# KiCad board Master Timing Card.kicad_pcb (continued)
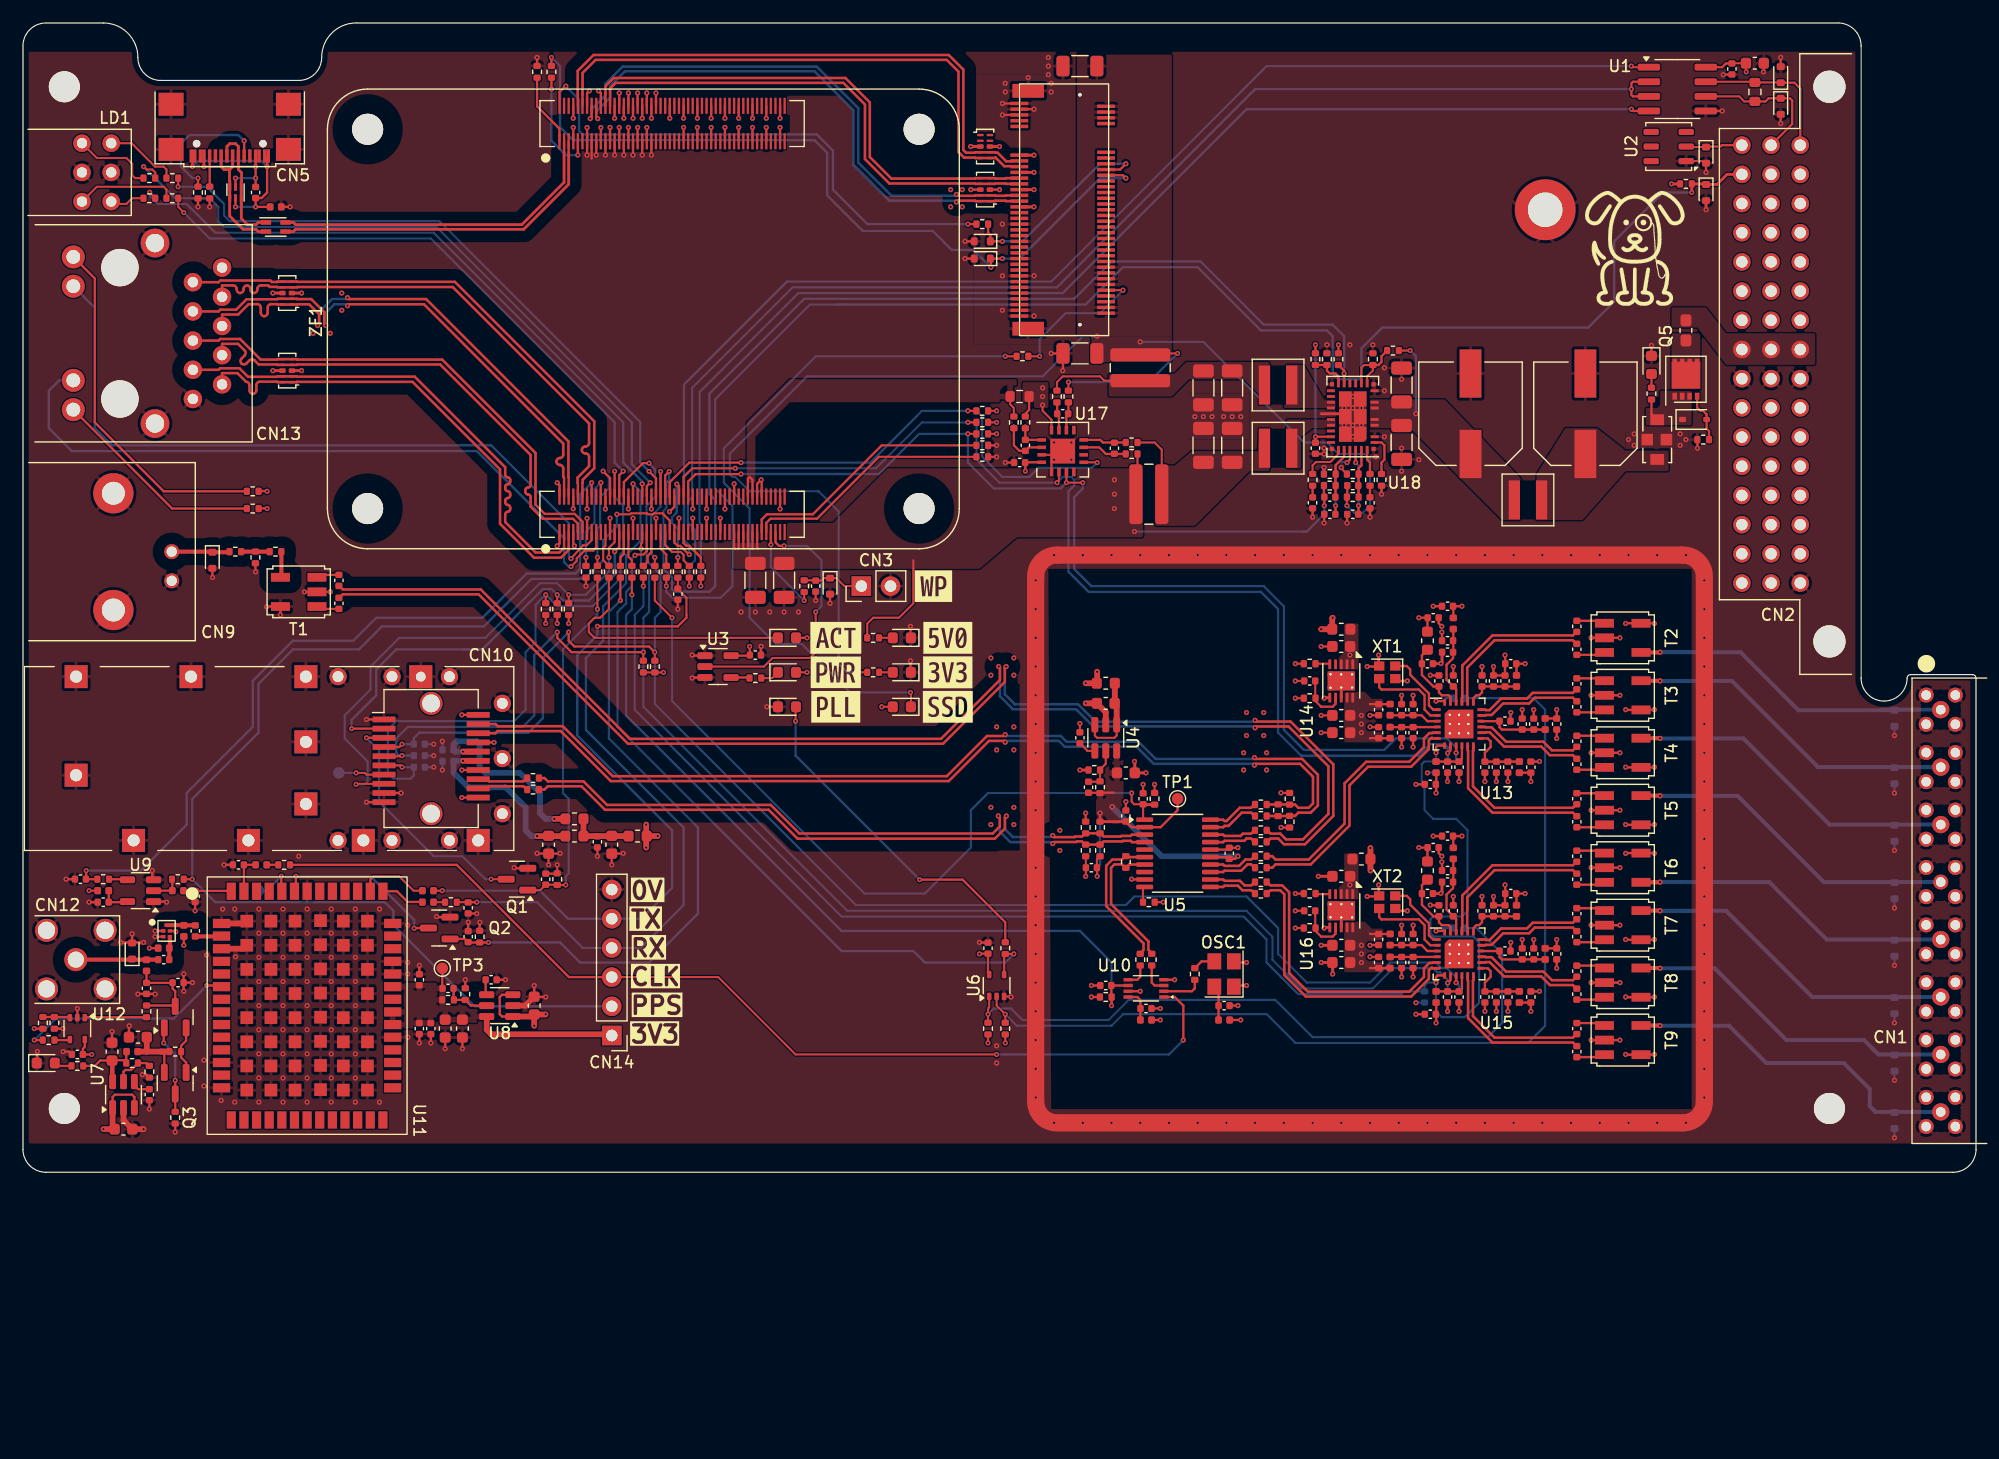
[diagram p0: board, top side]
## Routing (per net, layer and track width the routed paths; a pad name or vN(x,y) marks a point on that pad's centre or on a via; arc(x,y) is an arc through that point) (continued)
  Top w0.25: D14.8 v1(85,89.25) ; D20.3 v1(24.25,69.75) ; 114.85,66 113,66 ; D22.2 v1(146.5,83.75) ; CN7.45 v1(88,85.5) ; C115.2 123.52,24.37 v1(123.42,24.27) ; D21.8 v1(21.75,76.5) ; CN7.51 v1(88,87) ; v1(123.42,44.27) 123.52,44.37 C72.2 ; v1(96.75,35.75) 96.78,35.72 C15.2 v1(97.75,34.75) ; C128.2 v1(112.75,25.75) ; D14.3 v1(82.5,89.25) ; C134.2 v1(113,19.75) ; CN7.57 v1(88,88.5) ; R42.2 v1(92,35) ; U16.8 U16.11 ; U14.8 U14.11 ; D20.8 v1(21.75,69.75) ; CN7.39 v1(88,84) ; v1(114,17.25) 114,18.22 ; v1(113,18.25) C135.2 ; D21.3 v1(24.25,76.5)
  Top w0.5: U8.2 43.72,14.5 C33.2 ; U11.3 19.18,19.45 ; U11.1 19.28,21.65 ; U4.2 94.25,40.03 C11.2 v1(92.5,40.8) ; v1(10.5,3.75) C32.2 8.75,4.53 U7.2
  Bottom w0.18: C86.2 v1(124,34) ; v1(36.5,35) 36.52,35.02 C30.2 ; C25.2 v1(35.75,37.25) ; D7.2 v1(162.9,13) ; C84.2 122.27,34.77 v1(122.25,34.75) ; C29.2 v1(35.75,35.25) ; D8.2 v1(162.9,8) ; D1.2 v1(162.9,38) ; D2.2 v1(162.9,33) ; v1(36.5,37.5) 36.52,37.48 C27.2 ; D4.2 v1(162.9,23) ; C129.2 v1(124,14) ; v1(121.25,14.75) 121.27,14.77 C127.2 ; D11.2 v1(162.9,3) ; C88.2 v1(125,34) ; C131.2 v1(125,14) ; D3.2 v1(162.9,28) ; D5.2 v1(162.9,18) ; C26.2 v1(35.75,36.25)
  vias: v1(13.3,20.92) v1(15.75,9.75) v1(15.75,7.5) v1(15.98,18.9) v1(17.25,6.25) v1(17.38,22.9) v1(18.43,22.9) v1(18.43,6.1) v1(18.5,18.75) v1(20.53,22.9) v1(20.53,20.8) v1(20.53,18.7) v1(20.53,16.6) v1(20.53,14.5) v1(20.53,12.4) v1(20.53,10.3) v1(20.53,8.2) v1(20.53,6.1) v1(22.63,22.9) v1(22.63,20.8) v1(22.63,18.7) v1(22.63,16.6) v1(22.63,14.5) v1(22.63,12.4) v1(22.63,10.3) v1(22.63,8.2) v1(22.63,6.1) v1(24,27.5) v1(24.73,22.9) v1(24.73,20.8) v1(24.73,18.7) v1(24.73,16.6) v1(24.73,14.5) v1(24.73,12.4) v1(24.73,10.3) v1(24.73,8.2) v1(24.73,6.1) v1(25.25,73) v1(26.75,73) v1(26.83,22.9) v1(26.83,20.8) v1(26.83,18.7) v1(26.83,16.6) v1(26.83,14.5) v1(26.83,12.4) v1(26.83,10.3) v1(26.83,8.2) v1(26.83,6.1) v1(27.75,76.5) v1(27.75,75) v1(28.93,22.9) v1(28.93,20.8) v1(28.93,18.7) v1(28.93,16.6) v1(28.93,14.5) v1(28.93,12.4) v1(28.93,10.3) v1(28.93,8.2) v1(28.93,6.1) v1(31.03,22.9) v1(31.03,6.1) v1(33.48,21.5) v1(33.48,18.25) v1(33.48,17.25) v1(33.5,11.75) v1(36.75,10.75) v1(38.25,10.75) v1(58.25,45) v1(58.25,43) v1(62.5,48.75) v1(63.75,48.75) v1(65,48.75) v1(66.25,48.75) v1(67.5,48.75) v1(80.75,85.5) v1(80.75,84) v1(81.75,85.5) v1(81.75,84) v1(84.25,44.75) v1(84.25,43.25) v1(84.25,31.75) v1(84.25,30.25) v1(84.75,38.75) v1(84.75,36.75) v1(84.75,11) v1(84.75,9.5) v1(85.25,82.5) v1(85.25,78) v1(85.25,75) v1(85.5,94.75) v1(85.5,94) v1(86.25,44.75) v1(86.25,43.25) v1(86.25,38.75) v1(86.25,36.75) v1(86.25,31.75) v1(86.25,30.25) v1(87.5,95.25) v1(88,78) v1(88,74.5) v1(88.15,51.5) v1(88.15,49) v1(88.15,46.5) v1(88.15,44) v1(88.15,41.5) v1(88.15,39) v1(88.15,36.5) v1(88.15,34) v1(88.15,31.5) v1(88.15,26.5) v1(88.15,24) v1(88.15,21.5) v1(88.15,19) v1(88.15,16.5) v1(88.15,14) v1(88.15,11.5) v1(88.15,9) v1(88.15,6.5) v1(89.25,97) v1(89.25,96.25) v1(89.25,95.5) v1(89.5,94.75) v1(89.5,94) v1(89.75,63.5) v1(89.75,62) v1(89.75,53.7) v1(89.75,4.3) v1(90.25,29.75) v1(90.25,28) v1(91.25,63.5) v1(91.25,62) v1(92.25,53.7) v1(92.25,4.3) v1(94.75,53.7) v1(94.75,4.3) v1(96,32.25) v1(97.25,53.7) v1(97.25,4.3) v1(99.75,53.7) v1(99.75,4.3) v1(102,65.75) v1(102.25,53.7) v1(102.25,4.3) v1(102.75,65.75) v1(103.5,65.75) v1(104.5,65.75) v1(104.75,53.7) v1(104.75,4.3) v1(105.25,65.75) v1(106,65.75) v1(106.25,36.5) v1(106.25,35) v1(106.5,40) v1(106.5,38) v1(107.25,53.7) v1(107.25,4.3) v1(108,40) v1(108,38) v1(108.25,36.5) v1(108.25,35) v1(109.75,53.7) v1(109.75,4.3) v1(112.25,53.7) v1(112.25,4.3) v1(113.25,63) v1(113.5,72) v1(114.75,53.7) v1(114.75,4.3) v1(115,66.5) v1(115,65) v1(115.5,72) v1(115.75,67.5) v1(115.75,66.5) v1(115.75,65) v1(115.75,64) v1(116.5,66.5) v1(116.5,65) v1(117.25,53.7) v1(117.25,4.3) v1(117.5,72) v1(117.75,62.25) v1(118.5,70) v1(118.5,68) v1(118.5,64) v1(119.75,53.7) v1(119.75,4.3) v1(120,69) v1(120,63) v1(120,61) v1(121.5,62) v1(122.25,53.7) v1(122.25,4.3) v1(124.75,53.7) v1(124.75,4.3) v1(127.25,53.7) v1(127.25,4.3) v1(129,45) v1(129,25) v1(129.75,53.7) v1(129.75,4.3) v1(132.25,53.7) v1(132.25,4.3) v1(134.75,53.7) v1(134.75,4.3) v1(137.25,53.7) v1(137.25,4.3) v1(139.75,63.75) v1(139.75,53.7) v1(139.75,4.3) v1(140.25,64.25) v1(140.25,63.25) v1(142.25,53.7) v1(142.25,4.3) v1(144.25,64.25) v1(144.25,63.25) v1(144.75,63.75) v1(144.75,53.7) v1(144.75,4.3) v1(146.35,51.5) v1(146.35,49) v1(146.35,46.5) v1(146.35,44) v1(146.35,41.5) v1(146.35,39) v1(146.35,36.5) v1(146.35,34) v1(146.35,31.5) v1(146.35,29) v1(146.35,26.5) v1(146.35,24) v1(146.35,21.5) v1(146.35,19) v1(146.35,16.5) v1(146.35,14) v1(146.35,11.5) v1(146.35,9) v1(146.35,6.5)
1V8: length 108
  Top w0.18: FB6.2 v1(5.75,24.5)
  Top w0.2: CN4.90 64.3,60.2 v1(64.25,60.25) 63.9,59.9 CN4.88
  In2.Cu w0.18: v1(5.75,24.5) 3,24.5 1,26.5 1,57.25 6.5,62.75 57,62.75 61,58.75 62.75,58.75 v1(64.25,60.25)
3V3: length 41.3
  Top w0.18: v1(88.75,66.75) 88.75,66.25 89.53,65.47 U17.16 ; R7.1 v1(84.75,64.25) ; R26.1 v1(47.5,47.75) ; R11.1 R10.1 55.74,43.49 v1(55.75,43.5) ; R25.1 v1(45.5,47.75) ; v1(150,95.75) 149.97,95.78 C1.1 148.77,96.5 C2.1 ; R104.1 v1(84.75,66.25) ; R8.1 v1(84.75,65.25) ; R17.1 v1(46.5,47.75) ; LD2.2 v1(68.25,43.5) ; LD4.2 v1(74.75,40.5)
  Top w0.2: C3.1 63.27,45.73 v1(63.25,45.75) ; U1.8 147.91,96.16 148.23,96.48 C2.1 ; v1(21.25,59.25) 21.23,59.27 20.49,59.27 ; 84,17.3 C19.1 83.27,19.02 v1(83.25,19) ; v1(21.25,57.75) 21.23,57.77 20.49,57.77 ; R28.2 87.58,66.34 87.25,66.01 ; FB4.2 v1(99,13.25) ; 123.02,34.75 123.02,33.02 v1(123,33) ; v1(123,13) 123.02,13.02 123.02,14.75 ; R105.1 v1(114.5,72) ; v1(0.98,12.5) 0.99,12.49 R82.1 ; U3.5 63.22,44.95 ; U12.5 5.38,10.9 5.21,10.73 C56.1 v1(5.98,10.25) ; v1(87.25,61) 87.25,61.73 ; CN4.78 v1(61.9,59.9) ; FB8.2 v1(106,13.25) ; R47.1 v1(84,11.25) ; R45.1 v1(85.5,11.25) ; LD3.2 v1(68.25,46.5) ; U17.4 87.25,61.77
  Top w0.25: R96.1 v1(143.5,86)
  Top w0.5: FB3.1 v1(55.25,29.25) ; v1(54.25,28.25) v1(54.25,30.25)
  vias: v1(88.75,68.25) v1(88.75,67.5)
3V3_PCIE: length 110.1
  Top w0.18: v1(100.5,71.25) 99,71.25 ; R113.1 v1(72.75,43.5) ; R117.1 v1(91,68.75)
  Top w0.2: R110.1 115.24,58.01 v1(115.25,58) ; C160.1 115.27,58.78
  Bottom w0.18: v1(72.75,43.5) 71.75,43.5 71,44.25 71,57.5 69.25,59.25 63.25,59.25 62,60.5 61.75,60.5 61.53,60.72 61.53,62.52 68.25,69.25 88.75,69.25 92.25,72.75 v1(93.5,72.75) ; v1(115.25,58) 115.87,57.38 116.62,57.38 117.25,58 117.25,62 116.75,62.5 114.5,62.5 113.5,63.5 111.5,63.5 102.75,72.25 v1(97.25,72.25) ; v1(91,68.75) 98,68.75 v1(100.5,71.25)
5V0_PI: length 61.5
  Top w0.18: 77.5,53.25 77.5,49.5 76.25,48.25 74,48.25 73.49,47.74 R112.1 ; R115.1 97.01,59.14
  Top w0.2: 45.47,13.72 v1(45.5,13.75) ; CN4.85 63.5,54.25 ; CN4.87 63.9,54.35 64,54.25 ; v1(113.27,58) C159.1 ; 62,54.25 61.9,54.35 CN4.77 ; 62.25,54.25 62.3,54.3 CN4.79 ; CN4.81 62.7,54.3 62.75,54.25 ; U8.1 41.7,13.55 41.5,13.75 41.5,15.25 41.7,15.45 U8.3 ; CN4.83 63.1,54.4 ; U7.3 9.7,6.55 9.5,6.75 8,6.75 7.8,6.55 U7.1 ; 113.24,58.78 R108.1
  Top w0.5: FB2.1 v1(92.5,42.55) ; U7.1 7.8,3.92 ; 45.47,13.72 C33.1 v1(44.5,12.75) ; v1(113,47.25) FB19.1 113.96,48.21 v1(114,48.25) ; v1(117.29,26.25) v1(117.29,28.21) ; U8.1 44.33,13.55 ; v1(93.5,43.55) 93.5,42.59 ; C32.1 v1(7,3.75)
  Bottom w0.18: v1(96.75,55.75) 111.45,55.75
  Bottom w0.2: v1(113.27,58) 113.27,57.27 111.75,55.75 111.45,55.75
  vias: v1(95,60.25) v1(95,59) v1(95,57.75)
/GPS/VCC_GNSS: length 14.2
  Top w0.2: TP3.1 36.5,16.02
  Top w0.5: U8.6 40.36,12.39 40.75,12 51.5,12
/Pi CM4 - GPIO/3V3_R: length 5.5
  Top w0.18: R30.1 86.25,66.5 85.92,66.83 R28.1
  Top w0.2: CN4.84 63.1,60.35 63.25,60.5 63.5,60.25 CN4.86
/Pi CM4 - GPIO/3V3_SENSE_N: length 2.7
  Top w0.2: C7.1 87.25,64.99 ; U17.1 87.25,63.73
/Pi CM4 - GPIO/3V3_SENSE_P: length 4.5
  Top w0.2: U17.2 87.56,63.08 C7.2 86.73,62.77 86.25,63.25 86.25,64.99
/PLL and SFP/Frequency Synthesiser 1/1V8_PLL: length 12.5
  Top w0.2: FB12.1 124.5,49.23 ; C64.1 v1(121.5,48.25) ; 117.25,40.75 117.27,40.73 C62.1 119,40.73 ; FB14.1 133.5,39.48 ; C59.1 v1(130.75,44.25) ; C58.1 v1(125.25,49.25) ; C60.1 v1(133.5,40.25) ; C63.1 117.27,37.77 117.25,37.75 ; FB13.1 130,44.23 ; C61.1 v1(131.25,34) ; FB18.1 122.25,48.23 ; FB15.1 131.25,34.77 ; FB17.1 118,37.77
  vias: v1(116.5,39.75) v1(116.5,39) v1(116.5,38.25)
/PLL and SFP/Frequency Synthesiser 1/1V8_VDDA: length 6.4
  Top w0.2: U13.23 124.25,41.35 124.1,41.5 123.5,41.5 123.25,41.75 C78.1 122.77,42.27 121.77,43.27 C71.1 121.77,44.98 FB18.2
/PLL and SFP/Frequency Synthesiser 1/1V8_VDDO0: length 7
  Top w0.2: FB12.2 124.5,45.27 ; U13.22 124.75,42.02 C79.1 123.91,42.86 123.91,44.16 124.48,44.73 C72.1
/PLL and SFP/Frequency Synthesiser 1/1V8_VDDO1: length 4.8
  Top w0.2: C73.1 C80.1 127,41.75 126.75,41.5 126.5,41.5 126.25,41.25 U13.19 ; FB13.2 128,42.27
/PLL and SFP/Frequency Synthesiser 1/1V8_VDDO2: length 6.2
  Top w0.2: U13.16 C81.1 128.52,38.73 128.73,38.52 C74.1 132.5,38.52
/PLL and SFP/Frequency Synthesiser 1/1V8_VDDO3: length 6
  Top w0.2: 130.25,35.73 C75.1 C82.1 127.25,36.5 127.75,37 127.75,37.5 127.5,37.75 U13.13
/PLL and SFP/Frequency Synthesiser 1/1V8_VDDREF: length 4.1
  Top w0.2: FB17.2 123.11,38.73
/PLL and SFP/Frequency Synthesiser 1/1V8_VDDXO: length 4.3
  Top w0.2: FB16.2 121.74,39.77 122.25,39.25 U13.3
/PLL and SFP/Frequency Synthesiser 1/3V3_VDDD: length 3.5
  Top w0.2: U13.10 125.25,35.98 C88.1 ; FB20.2 125,35.73
/PLL and SFP/Frequency Synthesiser 1/VIN: length 6.6
  Top w0.25: v1(113.25,41.25) 113.3,41.3 U14.6
  In2.Cu w0.25: v1(113.25,41.25) 112.75,41.75 112.75,44 113.75,45 v1(115.5,45)
/PLL and SFP/Frequency Synthesiser 2/1V8_PLL: length 12.5
  Top w0.2: C103.1 v1(133.5,20.25) ; FB22.1 130,24.23 ; FB26.1 118,17.77 ; FB23.1 133.5,19.48 ; 117.25,20.75 117.27,20.73 C105.1 119,20.73 ; FB27.1 122.25,28.23 ; FB24.1 131.25,14.77 ; C107.1 v1(121.5,28.25) ; C104.1 v1(131.25,14) ; FB21.1 124.5,29.23 ; C102.1 v1(130.75,24.25) ; 117.25,17.75 117.27,17.77 C106.1 ; C101.1 v1(125.25,29.25)
  vias: v1(116.5,19.75) v1(116.5,19) v1(116.5,18.25)
/PLL and SFP/Frequency Synthesiser 2/1V8_VDDA: length 6.4
  Top w0.2: FB27.2 121.77,24.98 C114.1 121.77,23.27 122.77,22.27 C121.1 123.25,21.75 123.5,21.5 124.1,21.5 124.25,21.35 U15.23
/PLL and SFP/Frequency Synthesiser 2/1V8_VDDO0: length 7
  Top w0.2: U15.22 124.75,22.02 C122.1 123.91,22.86 123.91,24.16 124.48,24.73 C115.1 ; FB21.2 124.5,25.27
/PLL and SFP/Frequency Synthesiser 2/1V8_VDDO1: length 4.8
  Top w0.2: C116.1 C123.1 127,21.75 126.75,21.5 126.5,21.5 126.25,21.25 U15.19 ; FB22.2 128,22.27
/PLL and SFP/Frequency Synthesiser 2/1V8_VDDO2: length 6.2
  Top w0.2: 132.5,18.52 C117.1 128.73,18.52 128.52,18.73 C124.1 U15.16
/PLL and SFP/Frequency Synthesiser 2/1V8_VDDO3: length 6
  Top w0.2: U15.13 127.5,17.75 127.75,17.5 127.75,17 127.25,16.5 C125.1 C118.1 130.25,15.73
/PLL and SFP/Frequency Synthesiser 2/1V8_VDDREF: length 4.1
  Top w0.2: FB26.2 123.11,18.73
/PLL and SFP/Frequency Synthesiser 2/1V8_VDDXO: length 4.3
  Top w0.2: U15.3 122.25,19.25 121.74,19.77 FB25.2
/PLL and SFP/Frequency Synthesiser 2/3V3_VDDD: length 3.5
  Top w0.2: U15.10 125.25,15.98 C131.1 ; FB29.2 125,15.73
/PLL and SFP/Frequency Synthesiser 2/VIN: length 6.5
  Top w0.25: v1(113.25,21.25) 113.3,21.3 U16.6
  In2.Cu w0.25: v1(113.25,21.25) 112.75,21.75 112.75,23.75 114,25 v1(115.5,25)
/PLL and SFP/VDD_MUX: length 34.2
  Top w0.18: C14.1 93.72,33.02 ; R40.1 93.48,27.22 C13.1 ; 93.75,33.04 94.96,33.04 ; v1(93.5,25.75) 93.5,26.48
  Top w0.2: U5.15 105.09,27.42 ; R38.1 v1(93.75,31.25) ; v1(105.75,27.5) 105.52,27.27 C17.1 ; C18.1 96.5,30.03 U5.2 99.03,30.03 100.5,31.5 TP1.1
  Top w0.25: C18.1 95.99,30.51 R38.1
  Bottom w0.2: v1(93.5,25.75) 93.5,26.5 93.75,26.75 v1(93.75,31.25)
  Bottom w0.5: v1(94.8,31.8) 99.1,27.5 v1(105.75,27.5)
/Power Supplies/3V3_R: length 8.4
  Top w0.18: R116.1 90,68.75 90.5,69.25 93.75,69.25 94.12,68.88 R107.1
/Power Supplies/5V0_R: length 6.2
  Top w0.18: R106.1 99.12,62.88 98.5,63.5 R114.1
/Power Supplies/5V0_SENSE_N: length 3.9
  Top w0.2: R115.2 94.25,62.5 93.68,63.08 U17.11
/Power Supplies/5V0_SENSE_P: length 3.8
  Top w0.2: R114.2 94,63.5 93.78,63.73 U17.12
/Power Supplies/12V_DCDC: length 6.7
  Top w0.2: v1(120.75,71.5) R97.1
  Bottom w0.2: v1(120.75,71.5) 121.25,71 v1(121.25,66)
/Power Supplies/12V_PROT: length 2
  Top w0.2: R95.1 141.75,65.97 FL3.1
/CM4 Interfaces/ETHA_N: length 47.1
  Top w0.2: CN4.10 48.3,59.97
  Top w0.22: CN13.3 17.33,77.15 17.35,77.16 18.3,77.16 arc(18.51,77.08) 18.6,76.86 18.6,76.8 arc(18.69,76.59) 18.9,76.5 arc(19.11,76.59) 19.2,76.8 19.2,76.86 arc(19.29,77.08) 19.5,77.16 arc(19.71,77.08) 19.8,76.86 19.8,76.8 arc(19.89,76.59) 20.1,76.5 arc(20.31,76.59) 20.4,76.8 20.4,76.86 arc(20.49,77.08) 20.7,77.16 21.35,77.16 21.48,77.04 22.12,77.04 22.16,77 D21.7 D21.4 23.84,77 23.87,77.03 37.41,77.03 49.28,65.16 49.28,63.45 arc(49.19,63.24) 48.97,63.15 48.94,63.15 arc(48.73,63.06) 48.64,62.85 arc(48.73,62.64) 48.94,62.55 48.97,62.55 arc(49.19,62.46) 49.28,62.25 49.28,61.44 48.28,60.44 48.28,60 48.3,59.97
/CM4 Interfaces/ETHA_P: length 47.1
  Top w0.2: CN4.12 48.7,59.97
  Top w0.22: 48.7,59.97 48.72,60 48.72,60.26 49.72,61.26 49.72,65.34 37.59,77.47 23.87,77.47 23.84,77.5 D21.5 D21.6 22.16,77.5 22.12,77.46 21.66,77.46 21.53,77.59 17.17,77.59 17.03,77.44 CN13.2
/CM4 Interfaces/ETHB_N: length 46.2
  Top w0.2: CN4.6 47.5,60.47
  Top w0.22: 47.5,60.47 47.47,60.5 47.47,63.59 35.09,75.98 28.37,75.98 v1(28.25,76.1) ; CN13.5 17.33,74.61 17.36,74.63 18.73,74.63 19.64,75.54 20.4,75.54 arc(20.61,75.45) 20.7,75.24 20.7,74.79 arc(20.79,74.58) 21,74.49 arc(21.21,74.58) 21.3,74.79 21.3,75.24 arc(21.39,75.45) 21.6,75.54 22.12,75.54 22.16,75.5 D21.10 D21.1 23.84,75.5 23.87,75.52 24.91,75.52 25.78,74.66 25.77,73.81 v1(25.65,73.68)
  Bottom w0.22: v1(28.25,76.1) 28.13,75.98 26.91,75.98 25.77,74.84 25.77,73.81 v1(25.65,73.68)
/CM4 Interfaces/ETHB_P: length 46.2
  Top w0.2: CN4.4 47.1,60.42
  Top w0.22: v1(28.25,75.4) 28.37,75.52 34.91,75.52 47.03,63.41 47.03,62.44 arc(46.94,62.23) 46.73,62.15 arc(46.52,62.06) 46.43,61.85 46.43,61.84 arc(46.52,61.63) 46.73,61.55 arc(46.94,61.46) 47.03,61.25 47.03,60.5 47.1,60.42 ; v1(26.35,73.68) 26.23,73.81 26.22,74.84 25.09,75.98 23.87,75.98 23.84,76 D21.2 D21.9 22.16,76 22.12,75.96 19.46,75.96 18.55,75.05 17.18,75.05 17.03,74.91 CN13.4
  Bottom w0.22: v1(28.25,75.4) 28.13,75.52 27.09,75.52 26.23,74.66 26.23,73.81 v1(26.35,73.68)
/CM4 Interfaces/ETHC_N: length 43.8
  Top w0.2: CN4.9 48.3,55.71 48.3,56.44 47.88,56.86 45.24,56.86 44.19,57.91
  Top w0.22: CN13.7 17.33,72.07 17.35,72.08 18.72,72.08 19.3,71.5 arc(19.39,71.29) 19.3,71.08 19.02,70.79 arc(18.93,70.58) 19.02,70.37 arc(19.23,70.28) 19.44,70.37 19.72,70.65 arc(19.94,70.74) 20.15,70.65 20.51,70.29 22.12,70.29 22.16,70.25 D20.7 D20.4 23.84,70.25 23.88,70.29 36.31,70.29 44.19,62.41 44.19,59.81 arc(44.12,59.65) 43.96,59.58 arc(43.79,59.51) 43.73,59.35 43.73,59.21 arc(43.79,59.05) 43.96,58.98 arc(44.12,58.91) 44.19,58.75 44.19,57.91
/CM4 Interfaces/ETHC_P: length 44.1
  Top w0.2: 44.61,58.09 45.42,57.28 48.02,57.28 48.7,56.61 48.7,55.71 CN4.11
  Top w0.22: CN13.6 17.03,72.37 17.17,72.51 18.89,72.51 20.69,70.71 22.12,70.71 22.16,70.75 D20.6 D20.5 23.84,70.75 23.88,70.71 36.49,70.71 44.61,62.59 44.61,58.09
/CM4 Interfaces/ETHD_N: length 44
  Top w0.2: CN4.5 47.5,54.37
  Top w0.22: 47.5,54.37 47.5,54.14 46.83,53.47 44.48,53.47 41.53,56.43 41.53,61.16 33.91,68.78 23.87,68.78 23.84,68.75 D20.1 D20.10 22.16,68.75 22.12,68.79 20.61,68.79 arc(20.4,68.7) 20.31,68.49 20.31,68.04 arc(20.22,67.83) 20.01,67.74 arc(19.8,67.83) 19.71,68.04 19.71,68.49 arc(19.62,68.7) 19.41,68.79 18.67,69.53 17.34,69.53 17.33,69.53 CN13.9
/CM4 Interfaces/ETHD_P: length 44.9
  Top w0.2: 47.1,54.33 CN4.3
  Top w0.22: CN13.8 17.03,69.83 17.16,69.95 18.85,69.95 19.59,69.21 22.12,69.21 22.16,69.25 D20.9 D20.2 23.84,69.25 23.87,69.22 34.09,69.22 41.97,61.34 41.97,60.68 arc(42.04,60.53) 42.19,60.47 arc(42.34,60.4) 42.41,60.25 42.41,60.08 arc(42.34,59.93) 42.19,59.87 arc(42.04,59.8) 41.97,59.65 41.97,59.48 arc(42.04,59.33) 42.19,59.27 arc(42.34,59.2) 42.41,59.05 42.41,58.88 arc(42.34,58.73) 42.19,58.67 arc(42.04,58.6) 41.97,58.45 41.97,58.28 arc(42.04,58.13) 42.19,58.07 arc(42.34,58) 42.41,57.85 42.41,57.68 arc(42.34,57.53) 42.19,57.47 arc(42.04,57.4) 41.97,57.25 41.97,56.57 44.62,53.92 46.69,53.92 47.1,54.33
/CM4 Interfaces/PTP_PPS: length 68.7
  Top w0.2: R66.1 5.5,25.5 ; CN4.16 v1(49.5,60) ; v1(5.5,26.25) 5.5,25.52
  Bottom w0.2: v1(49.5,60) 48.5,59 48.5,56.5 48.5,56.5 48.5,54.29 48.5,54.28 48.5,52.5 48.1,52.1 43.85,52.1 40,48.25 30.75,48.25 28.75,46.25 23.5,46.25 20,42.75 20,38.75 14.25,33 14.25,30.25 10.25,26.25 v1(5.5,26.25)
/CM4 Interfaces/~{ETH_ACT}: length 64.2
  Top w0.18: v1(47.7,53.4) 48.75,54.55 49.05,54.55 49.5,55 CN4.15
  Bottom w0.18: v1(47.7,53.4) 47.5,53.59 47.5,56.5 47.2,56.8
  Bottom w0.2: 47.2,56.8 40.75,63.25 7.75,63.25 6.25,64.75 6.25,75.22 CN13.L2
/CM4 Interfaces/~{ETH_LINK}: length 61.8
  Top w0.18: 48.5,53.71 48.2,53.41 48.2,53.2 v1(47.7,52.7)
  Top w0.2: CN4.17 49.9,54.36 49.64,54.1 48.89,54.1 48.5,53.71
  Bottom w0.2: CN13.L4 3.16,68.91 2.25,68 2.25,64.75 4.25,62.75 39.5,62.75 47.1,55.15 47.1,53.1 47.5,52.7 v1(47.7,52.7)
/GPS/CLK_SEL: length 70.3
  Top w0.18: R12.1 v1(53,50.25)
  Top w0.2: v1(94.75,14.5) 94.76,14.51 R74.1 ; 94.73,15.28 C38.1 U10.6
  Bottom w0.2: v1(94.75,14.5) 94.75,18.25 92,21 71.25,21 52.5,39.75 52.5,48.5 53,49 v1(53,50.25)
/GPS/GNSS_CLK: length 90.1
  Top w0.18: v1(84.75,10.25) 67.25,10.25 60.52,16.98 CN14.3
  Top w0.2: R75.1 37.75,26.75 47.52,16.98 CN14.3 ; v1(101,11.5) 101,14.5 100.25,15.25 U10.1
  Bottom w0.2: v1(84.75,10.25) 99.75,10.25 v1(101,11.5)
/GPS/GNSS_CLK_M: length 3.3
  Top w0.2: U11.53 19.23,26.73 ; 19.21,26.75 FB7.2
/GPS/GNSS_PPS: length 107
  Top w0.18: 55.75,57.25 55.67,57.33 54.92,57.33 54.84,57.25 54.42,57.25 54.34,57.33 52.92,57.33 52.84,57.25 v1(51.7,57.25)
  Top w0.2: R69.1 v1(14.73,25.5) ; CN4.49 56.3,56.7 55.75,57.25
  Bottom w0.2: v1(51.7,57.25) 51.7,57.3 51.7,56.2 50.5,55 50.5,53.25 48.88,51.63 44.25,51.63 40.12,47.5 31.25,47.5 29.25,45.5 23.5,45.5 20.5,42.5 20.5,38.25 14.73,32.48 v1(14.73,25.5) 16.73,23.5 31.5,23.5 32.25,22.75 32.25,21.5 39.31,14.44 CN14.2
/GPS/GNSS_PPS_M: length 4.1
  Top w0.2: C39.1 18.1,24.48 ; FB5.2 14.96,24.5
/GPS/GNSS_RESET: length 57
  Top w0.18: R18.2 v1(52,49.75)
  Top w0.2: C48.1 38.47,20.3 Q2.1 ; v1(40.52,20) 40.51,19.99 R78.1 38.78,19.99
  Bottom w0.18: v1(52,49.75) 51,48.75 51,48.5
  Bottom w0.2: 51,48.5 51,37.75 58.75,30 58.75,22.5 54.5,18.25 48.5,18.25 46.75,20 v1(40.52,20)
/GPS/GNSS_RX: length 66.5
  Top w0.18: R77.2 38.73,23.5 C46.1
  Top w0.2: CN4.34 v1(53.1,59.9) ; 38.74,23.5 v1(39.5,23.5)
  Bottom w0.18: 57.5,23.25 53.77,19.52 CN14.4 48.73,19.52 44.75,23.5 v1(39.5,23.5)
  Bottom w0.2: 57.5,23.25 57.5,30 49,38.5 49,44.75 50.5,46.25 50.5,49.25 52.5,51.25 52.5,53.69 53.75,54.94 53.75,59.25 v1(53.1,59.9)
/GPS/GNSS_TX: length 61.7
  Top w0.18: C47.1 57,50.75 ; 57,50.75 R9.2 ; 57,50.75 57.75,50 57.75,48.5 ; FB11.1 v1(36.5,24.5)
  Top w0.2: 57.75,48.5 57.75,48.25 57,47.5 v1(50,47.5)
  Bottom w0.18: v1(36.5,24.5) 45,24.5 45.5,24
  Bottom w0.2: v1(50,47.5) 50,46.75 48.25,45 48.25,38 56.5,29.75 56.5,24.75 53.81,22.06 CN14.5 47.44,22.06 45.5,24
/GPS/REF_CLK_N: length 12.1
  Top w0.22: R44.2 96.28,26.78 U5.7 ; 95.95,26.49 95.65,26.79 95,26.79 94.71,26.5 94.71,23.34 97.96,20.09 97.96,19.35 98.25,19.06
/GPS/REF_CLK_P: length 12.6
  Top w0.22: U5.6 96.09,27.42 ; 97.25,19.06 97.54,19.35 97.54,19.91 94.29,23.16 94.29,26.67 94.83,27.21 95.65,27.21 95.95,27.51
/GPS/~{ANT_SHORT}: length 18.9
  Top w0.2: R85.2 v1(0.98,11.5) ; v1(16,16.25) 17.18,16.25
  Bottom w0.2: v1(16,16.25) 13.12,13.38 2.88,13.38 1,11.5 v1(0.98,11.5)
/ONEWIRE_ADDRESS: length 137.7
  Top w0.18: R23.2 v1(56,51)
  Top w0.25: CN2.c2 148.33,86.83 147.45,85.95 D22.1 146.45,86 R96.2 145.26,85.26 v1(145.25,85.25)
  Bottom w0.18: 71.5,75.5 68.5,75.5 60.25,67.25 60.25,59.5 61.75,58 61.75,51 60.75,50 56.5,50 56,50.5 v1(56,51)
  Bottom w0.2: v1(145.25,85.25) 142.75,85.25 138.5,81 138.5,75.75 136.25,73.5 118.31,73.5 116.5,71.69 116.5,69.25 116.25,69 114.5,69 114,69.5 114,72.75 113.5,73.25 107.75,73.25 102.25,78.75 95.75,78.75 92.5,75.5 70.75,75.5
/Pi CM4 - GPIO/COMMS_GREEN: length 53.4
  Top w0.18: v1(14,83.5) 13.51,84.01 R4.1
  Top w0.2: v1(52.25,61) 51.9,60.65 CN4.28
  Bottom w0.18: 51.5,65.25 35.5,81.25 16.25,81.25 v1(14,83.5)
  Bottom w0.2: v1(52.25,61) 51.5,61.75 51.5,65.25
/Pi CM4 - GPIO/COMMS_RED: length 65.3
  Top w0.18: R3.1 11.51,86.99 11.25,87.25 10.75,87.25 v1(10.5,87.5)
  Top w0.2: CN4.40 54.3,59.7 v1(54.6,60)
  Bottom w0.18: 13.25,84.75 v1(10.5,87.5) 13.25,84.75 ; 13.25,84.75 16.25,84.75 17,84 17,82.75 17.5,82.25 36,82.25 53,65.25
  Bottom w0.2: 53,65.25 53,61.6 v1(54.6,60)
/Pi CM4 - GPIO/PCIE_PWR_GOOD: length 101.9
  Top w0.2: U18.15 v1(115,69.5) 115,69.74 R105.2 ; 55.9,58.77 55.9,60.63 v1(56.25,60.98)
  Bottom w0.18: v1(56.25,60.98) 56.25,60.25 56,60 56,57.8 55.75,57.55 55.75,52.5 56,52.25
  Bottom w0.2: v1(115,69.5) 115,72.75 114,73.75 108,73.75 102.5,79.25 94.75,79.25 91.5,76 68,76 59.75,67.75 59.75,59 60.25,58.5 60.25,51 59.77,50.52 56.73,50.52 56.5,50.75 56.5,51.75 56,52.25
/Pi CM4 - GPIO/PWR_CRITICAL: length 49.2
  Top w0.18: v1(93.5,61.75) 93.47,61.77 U17.9 ; R104.2 v1(82.25,66.25)
  Top w0.2: CN4.50 56.3,60.05 58,61.75 v1(62.5,61.75) ; 56.3,58.77 56.3,60.03
  Bottom w0.18: v1(93.5,61.75) 93.05,61.3 88.4,61.3 87.6,60.5 85.25,60.5 83.5,62.25 83.5,65.75 83,66.25 v1(82.25,66.25) 78.25,66.25 74.12,62.12
  Bottom w0.2: v1(62.5,61.75) 73.75,61.75 74.12,62.12
/Pi CM4 - GPIO/STATUS_GREEN: length 57.6
  Top w0.18: R2.1 11.51,84.78 v1(11.03,85.27)
  Top w0.2: CN4.38 v1(53.9,59.9)
  Bottom w0.18: v1(11.03,85.27) 11.03,84.97 11.75,84.25 14.25,84.25 16.75,81.75 35.75,81.75 52.25,65.25
  Bottom w0.2: 52.25,65.25 52.25,61.75 53.9,60.1 v1(53.9,59.9)
/Pi CM4 - GPIO/STATUS_RED: length 57.1
  Top w0.18: R1.1 13.51,85.76 v1(13.5,85.75)
  Top w0.2: 55.1,58.77 55.1,60.38 v1(54.5,60.98)
  Bottom w0.18: v1(13.5,85.75) 16,85.75 17.5,84.25 17.5,83.25 18,82.75 36.25,82.75 53.72,65.28 53.72,61.76 53.75,61.73
  Bottom w0.2: v1(54.5,60.98) 53.75,61.73
/Pi CM4 - HPIO/D_N: length 29.4
  Top w0.2: CN6.103 47.1,88.75
  Top w0.242: FL1.2 23.53,82.65 23.72,82.45 43.42,82.45 47.1,86.13 47.1,88.75
/Pi CM4 - HPIO/D_P: length 30.1
  Top w0.2: CN6.105 47.5,88.75
  Top w0.242: FL1.4 23.53,81.85 23.72,82.05 43.58,82.05 47.5,85.97 47.5,88.75
/Pi CM4 - HPIO/PCIE_PER0_N: length 48.3
  Top w0.2: v1(50.03,91.68) 49.9,91.8 49.9,92.79 CN6.118
  Top w0.22: CN7.41 85.56,84.5 85.52,84.54 84.63,84.54 84.59,84.5 D17.1 D17.10 82.91,84.5 82.87,84.54 81.36,84.54 v1(81.25,84.42)
  Bottom w0.22: v1(50.03,91.68) 49.91,91.79 49.91,92.31 51.11,93.51 51.11,94.51 52.39,95.79 68.91,95.79 72.29,92.41 72.29,87.66 75.41,84.54 81.14,84.54 v1(81.25,84.42)
